# KiCad board helios-panel.kicad_pcb (continued)
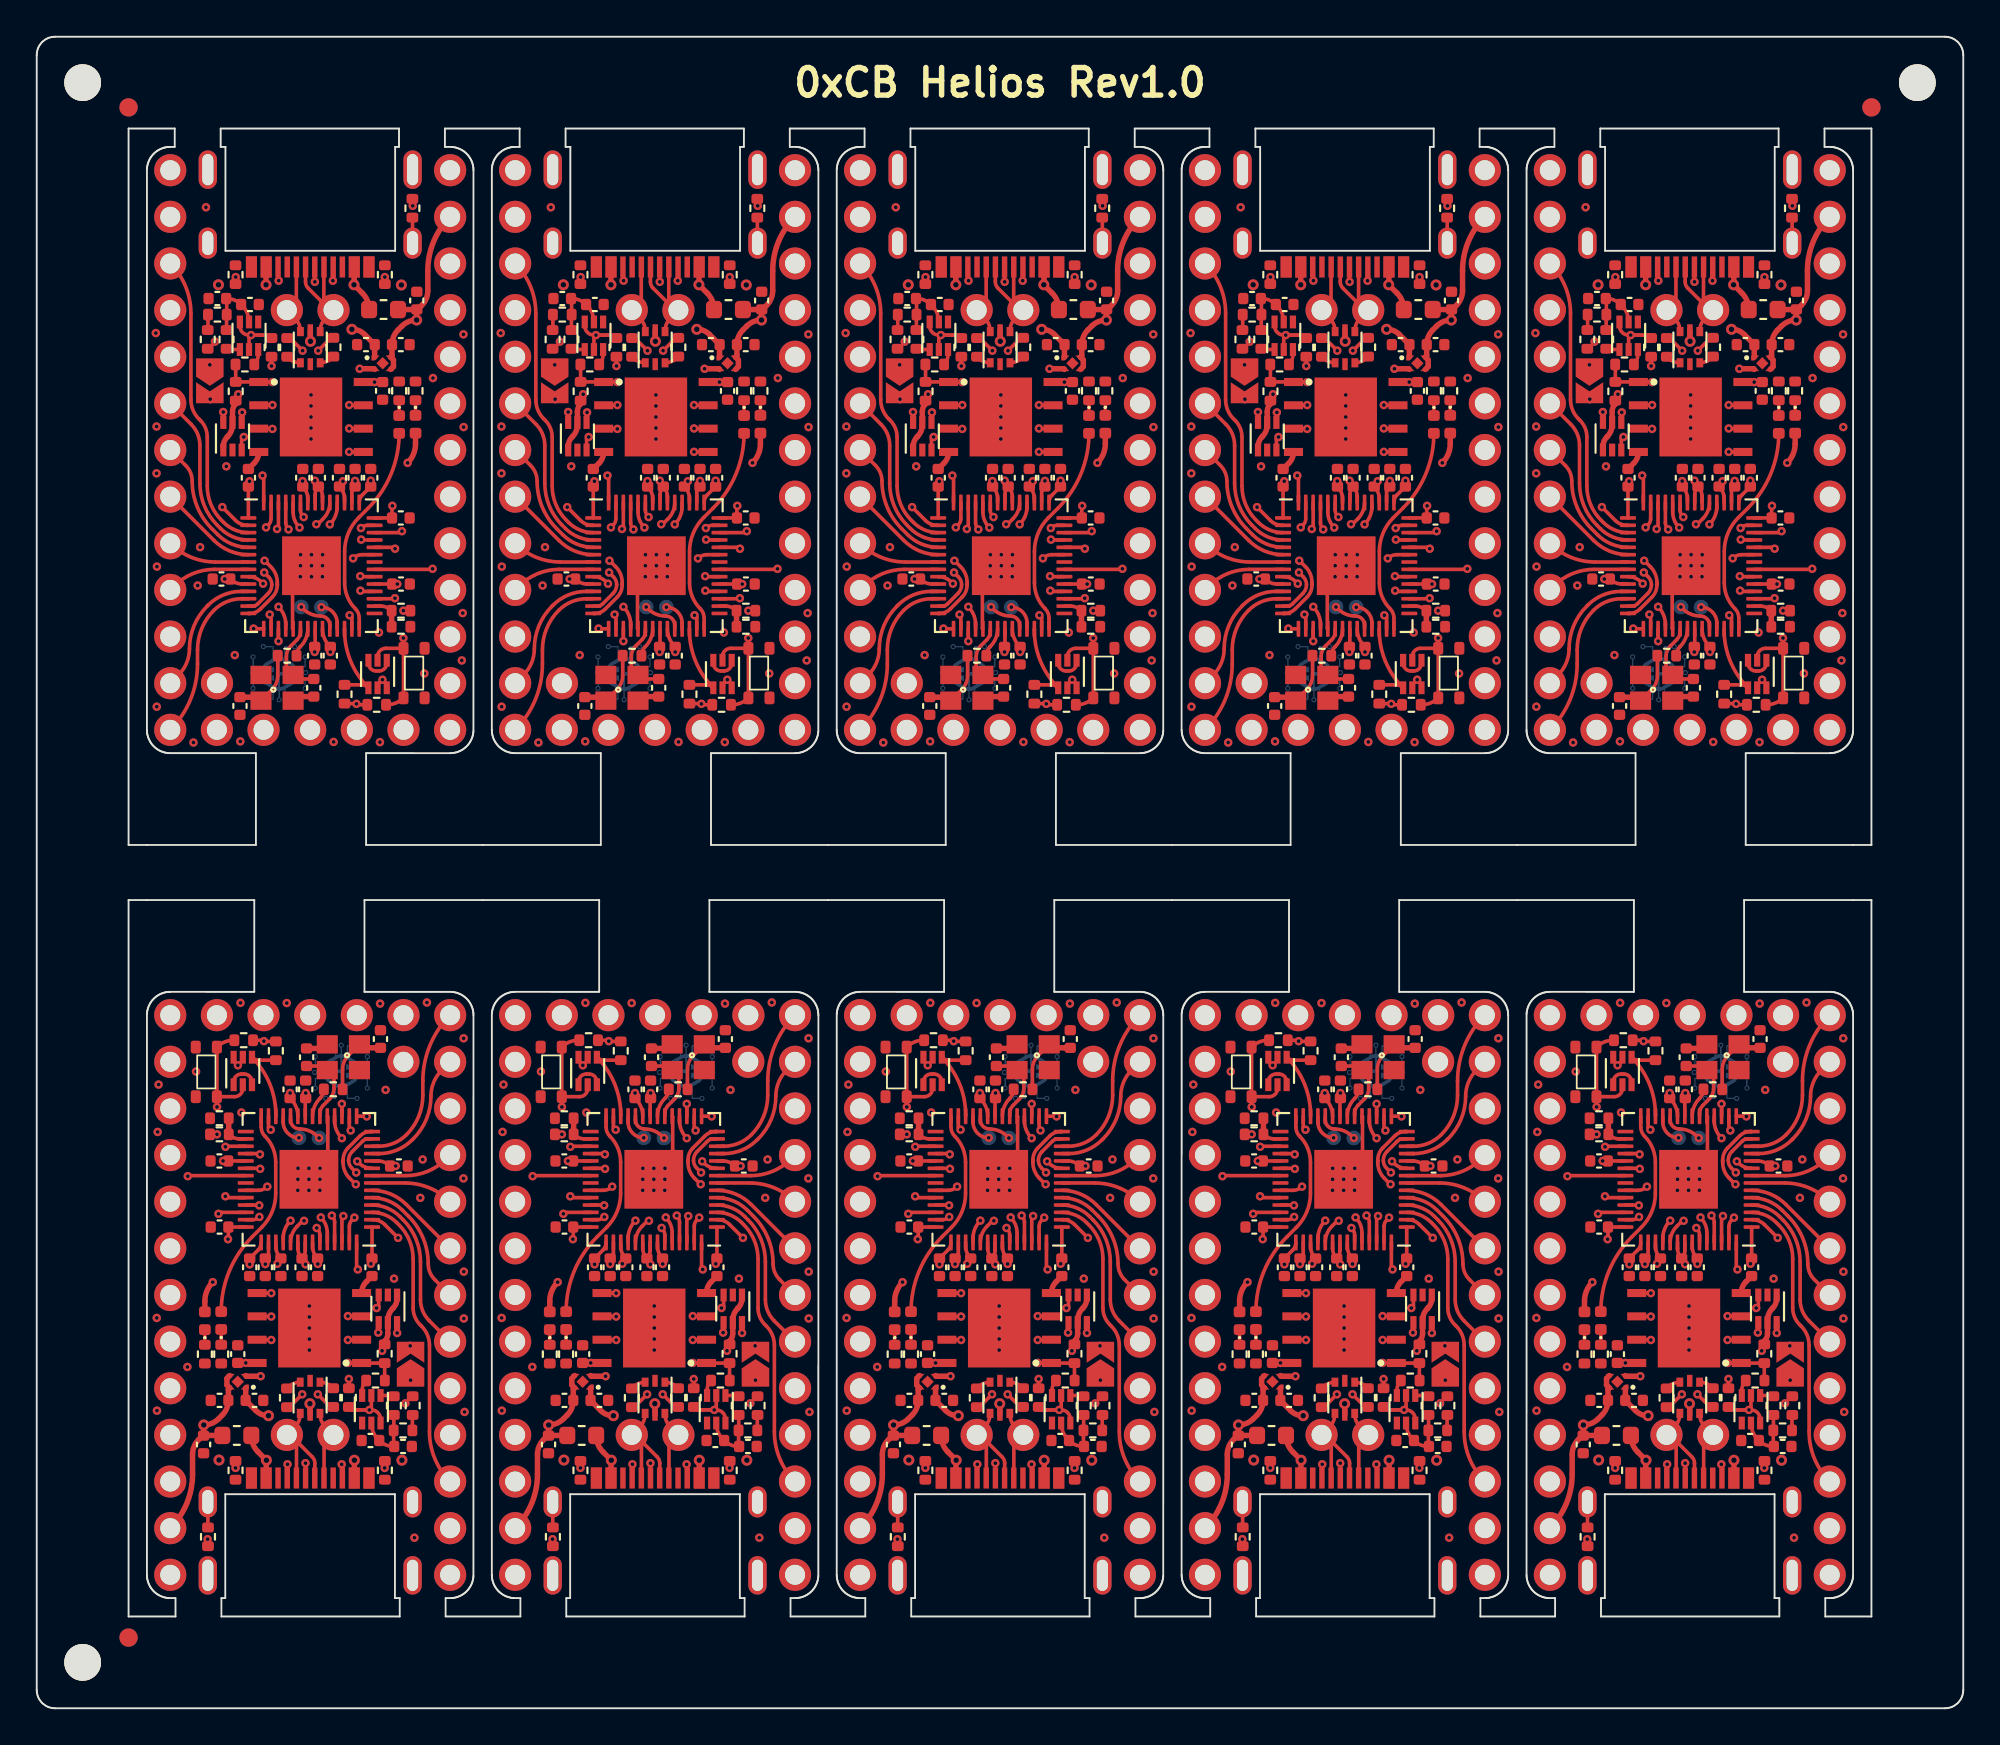
[diagram p0: board, top side]
## Nets (continued)
Board_2-unconnected-(U2-Pad5): U2#10.5
Board_2-unconnected-(U4-Pad29): U4#2.29
Board_2-unconnected-(U4-Pad36): U4#2.36
Board_2-VBUS: F1#4.1 J1#3.A4 J1#3.A9 J1#3.B4 J1#3.B9 R16#5.1
Board_3-+1V1: C10#8.2 C17#3.1 C19#8.1 U4#7.23 U4#7.45 U4#7.50
Board_3-+3V3: C5#9.1 C6.1 C9#10.2 C11#5.1 C12#8.1 C13#3.1 C14.1 C15#10.1 C16.1 C18#9.1 J2#7.27 JP1#3.1 R1.1 R2#2.1 R3#7.1 R11#8.1 U2.1 U3#8.8 U4#7.1 U4#7.10 U4#7.22 U4#7.33 U4#7.42 U4#7.43 U4#7.44 U4#7.48 U4#7.49 U5#7.1 U5#7.5
Board_3-+5V: C3#5.1 C4#8.1 F1#5.2 J2#7.30 U1#9.5 U2.3 U2.4 U5#7.6
Board_3-/0_TX0: J2#7.2 U4#7.2
Board_3-/1_RX0: J2#7.3 U4#7.3
Board_3-/2_SDA1: J2#7.6 U4#7.4
Board_3-/3_SCL1: J2#7.7 U4#7.5
Board_3-/4: J2#7.8 U4#7.6
Board_3-/5: J2#7.9 U4#7.7
Board_3-/6: J2#7.10 U4#7.8
Board_3-/7: J2#7.11 U4#7.9
Board_3-/8: J2#7.12 U4#7.11
Board_3-/9: J2#7.13 U4#7.12
Board_3-/10: J2#7.1 U4#7.13
Board_3-/11: J2#7.31 U4#7.14
Board_3-/12: J2#7.14 U4#7.15
Board_3-/13: J2#7.15 U4#7.16
Board_3-/14: J2#7.16 U4#7.17
Board_3-/15: J2#7.17 U4#7.18
Board_3-/16: J2#7.18 U4#7.27
Board_3-/20_SDI: J2#7.21 U4#7.31
Board_3-/21_CS: J2#7.19 U4#7.32
Board_3-/22_SCK: J2#7.22 U4#7.34
Board_3-/23_SDO: J2#7.20 U4#7.35
Board_3-/A0: J2#7.23 U4#7.38
Board_3-/A1: J2#7.24 U4#7.39
Board_3-/A2: J2#7.25 U4#7.40
Board_3-/A3: J2#7.26 U4#7.41
Board_3-/BOOT: Q2#9.3 R9#5.2
Board_3-/D+: R12#4.2 U4#7.47
Board_3-/D-: R13#4.2 U4#7.46
Board_3-/LED: D2.2 U4#7.28
Board_3-/PORT+: J1#10.A6 J1#10.B6 J2#7.34 U1#9.6
Board_3-/PORT-: J1#10.A7 J1#10.B7 J2#7.33 U1#9.4
Board_3-/QSPI_CLK: U3#8.6 U4#7.52
Board_3-/QSPI_CS: R9#5.1 R11#8.2 U3#8.1 U4#7.56
Board_3-/QSPI_SD0: U3#8.5 U4#7.53
Board_3-/QSPI_SD1: U3#8.2 U4#7.55
Board_3-/QSPI_SD2: U3#8.3 U4#7.54
Board_3-/QSPI_SD3: U3#8.7 U4#7.51
Board_3-/RESET: J2#7.28 Q1#10.2 R1.2 SW1#7.2
Board_3-/RGB_5V: J2#7.32 U5#7.4
Board_3-/RGB_DO: U4#7.37 U5#7.3
Board_3-/RST: Q1#10.4 R3#7.2 U4#7.26
Board_3-/SWD_CLK: TP1#2.1 U4#7.24
Board_3-/SWD_IO: TP2#3.1 U4#7.25
Board_3-/USB+: R12#4.1 U1#9.1
Board_3-/USB-: R13#4.1 U1#9.3
Board_3-GND: C1#5.2 C2#8.2 C3#5.2 C4#8.2 C5#9.2 C6.2 C7#10.1 C8#9.1 C9#10.1 C10#8.1 C11#5.2 C12#8.2 C13#3.2 C14.2 C15#10.2 C16.2 C17#3.2 C18#9.2 C19#8.2 FB1#10.2 J1#10.A1 J1#10.A12 J1#10.B1 J1#10.B12 J2#7.4 J2#7.5 J2#7.29 Q1#10.1 Q1#10.3 Q2#9.4 R6#6.2 R7#2.1 R8#9.1 R10#5.2 R15.2 R17#7.2 SW1#7.1 U1#9.2 U2.2 U3#8.4 U3#8.9 U4#7.19 U4#7.57 U5#7.2 Y1#3.2 Y1#3.4
Board_3-Net-(C1-Pad1): C1#5.1 C2#8.1 Q2#9.5 R4.2 R5#9.1
Board_3-Net-(C7-Pad2): C7#10.2 U4#7.20 Y1#3.3
Board_3-Net-(C8-Pad2): C8#9.2 R14#4.1 Y1#3.1
Board_3-Net-(D1-Pad1): D1#3.1 R10#5.1
Board_3-Net-(D1-Pad2): D1#3.2 JP1#3.2
Board_3-Net-(D2-Pad1): D2.1 R15.1
Board_3-Net-(FB1-Pad1): FB1#10.1 J1#10.S1
Board_3-Net-(J1-PadA5): J1#10.A5 R7#2.2
Board_3-Net-(J1-PadB5): J1#10.B5 R8#9.2
Board_3-Net-(Q1-Pad5): Q1#10.5 Q1#10.6 Q2#9.2 Q2#9.6 R2#2.2
Board_3-Net-(Q2-Pad1): Q2#9.1 R4.1
Board_3-Net-(R5-Pad2): R5#9.2 R6#6.1
Board_3-Net-(R14-Pad2): R14#4.2 U4#7.21
Board_3-unconnected-(J1-PadA8): J1#10.A8
Board_3-unconnected-(J1-PadB8): J1#10.B8
Board_3-unconnected-(U2-Pad5): U2.5
Board_3-unconnected-(U4-Pad29): U4#7.29
Board_3-unconnected-(U4-Pad36): U4#7.36
Board_3-VBUS: F1#5.1 J1#10.A4 J1#10.A9 J1#10.B4 J1#10.B9 R16#3.1
Board_4-+1V1: C10#3.2 C17#4.1 C19#5.1 U4#6.23 U4#6.45 U4#6.50
Board_4-+3V3: C5.1 C6#10.1 C9#4.2 C11#3.1 C12#3.1 C13#2.1 C14#3.1 C15#5.1 C16#2.1 C18#2.1 J2#10.27 JP1#4.1 R1#8.1 R2#10.1 R3#10.1 R11#5.1 U2#7.1 U3#4.8 U4#6.1 U4#6.10 U4#6.22 U4#6.33 U4#6.42 U4#6.43 U4#6.44 U4#6.48 U4#6.49 U5#10.1 U5#10.5
Board_4-+5V: C3#4.1 C4.1 F1#8.2 J2#10.30 U1#10.5 U2#7.3 U2#7.4 U5#10.6
Board_4-/0_TX0: J2#10.2 U4#6.2
Board_4-/1_RX0: J2#10.3 U4#6.3
Board_4-/2_SDA1: J2#10.6 U4#6.4
Board_4-/3_SCL1: J2#10.7 U4#6.5
Board_4-/4: J2#10.8 U4#6.6
Board_4-/5: J2#10.9 U4#6.7
Board_4-/6: J2#10.10 U4#6.8
Board_4-/7: J2#10.11 U4#6.9
Board_4-/8: J2#10.12 U4#6.11
Board_4-/9: J2#10.13 U4#6.12
Board_4-/10: J2#10.1 U4#6.13
Board_4-/11: J2#10.31 U4#6.14
Board_4-/12: J2#10.14 U4#6.15
Board_4-/13: J2#10.15 U4#6.16
Board_4-/14: J2#10.16 U4#6.17
Board_4-/15: J2#10.17 U4#6.18
Board_4-/16: J2#10.18 U4#6.27
Board_4-/20_SDI: J2#10.21 U4#6.31
Board_4-/21_CS: J2#10.19 U4#6.32
Board_4-/22_SCK: J2#10.22 U4#6.34
Board_4-/23_SDO: J2#10.20 U4#6.35
Board_4-/A0: J2#10.23 U4#6.38
Board_4-/A1: J2#10.24 U4#6.39
Board_4-/A2: J2#10.25 U4#6.40
Board_4-/A3: J2#10.26 U4#6.41
Board_4-/BOOT: Q2.3 R9#6.2
Board_4-/D+: R12.2 U4#6.47
Board_4-/D-: R13#8.2 U4#6.46
Board_4-/LED: D2#5.2 U4#6.28
Board_4-/PORT+: J1#5.A6 J1#5.B6 J2#10.34 U1#10.6
Board_4-/PORT-: J1#5.A7 J1#5.B7 J2#10.33 U1#10.4
Board_4-/QSPI_CLK: U3#4.6 U4#6.52
Board_4-/QSPI_CS: R9#6.1 R11#5.2 U3#4.1 U4#6.56
Board_4-/QSPI_SD0: U3#4.5 U4#6.53
Board_4-/QSPI_SD1: U3#4.2 U4#6.55
Board_4-/QSPI_SD2: U3#4.3 U4#6.54
Board_4-/QSPI_SD3: U3#4.7 U4#6.51
Board_4-/RESET: J2#10.28 Q1#5.2 R1#8.2 SW1#5.2
Board_4-/RGB_5V: J2#10.32 U5#10.4
Board_4-/RGB_DO: U4#6.37 U5#10.3
Board_4-/RST: Q1#5.4 R3#10.2 U4#6.26
Board_4-/SWD_CLK: TP1.1 U4#6.24
Board_4-/SWD_IO: TP2#9.1 U4#6.25
Board_4-/USB+: R12.1 U1#10.1
Board_4-/USB-: R13#8.1 U1#10.3
Board_4-GND: C1#8.2 C2.2 C3#4.2 C4.2 C5.2 C6#10.2 C7#4.1 C8#3.1 C9#4.1 C10#3.1 C11#3.2 C12#3.2 C13#2.2 C14#3.2 C15#5.2 C16#2.2 C17#4.2 C18#2.2 C19#5.2 FB1#9.2 J1#5.A1 J1#5.A12 J1#5.B1 J1#5.B12 J2#10.4 J2#10.5 J2#10.29 Q1#5.1 Q1#5.3 Q2.4 R6#9.2 R7#3.1 R8#4.1 R10#7.2 R15#6.2 R17#6.2 SW1#5.1 U1#10.2 U2#7.2 U3#4.4 U3#4.9 U4#6.19 U4#6.57 U5#10.2 Y1#9.2 Y1#9.4
Board_4-Net-(C1-Pad1): C1#8.1 C2.1 Q2.5 R4#5.2 R5#3.1
Board_4-Net-(C7-Pad2): C7#4.2 U4#6.20 Y1#9.3
Board_4-Net-(C8-Pad2): C8#3.2 R14.1 Y1#9.1
Board_4-Net-(D1-Pad1): D1#2.1 R10#7.1
Board_4-Net-(D1-Pad2): D1#2.2 JP1#4.2
Board_4-Net-(D2-Pad1): D2#5.1 R15#6.1
Board_4-Net-(FB1-Pad1): FB1#9.1 J1#5.S1
Board_4-Net-(J1-PadA5): J1#5.A5 R7#3.2
Board_4-Net-(J1-PadB5): J1#5.B5 R8#4.2
Board_4-Net-(Q1-Pad5): Q1#5.5 Q1#5.6 Q2.2 Q2.6 R2#10.2
Board_4-Net-(Q2-Pad1): Q2.1 R4#5.1
Board_4-Net-(R5-Pad2): R5#3.2 R6#9.1
Board_4-Net-(R14-Pad2): R14.2 U4#6.21
Board_4-unconnected-(J1-PadA8): J1#5.A8
Board_4-unconnected-(J1-PadB8): J1#5.B8
Board_4-unconnected-(U2-Pad5): U2#7.5
Board_4-unconnected-(U4-Pad29): U4#6.29
Board_4-unconnected-(U4-Pad36): U4#6.36
Board_4-VBUS: F1#8.1 J1#5.A4 J1#5.A9 J1#5.B4 J1#5.B9 R16#7.1
Board_5-+1V1: C10#7.2 C17#8.1 C19#9.1 U4#9.23 U4#9.45 U4#9.50
Board_5-+3V3: C5#10.1 C6#5.1 C9#3.2 C11#9.1 C12#5.1 C13#6.1 C14#8.1 C15#8.1 C16#4.1 C18#4.1 J2#8.27 JP1#10.1 R1#3.1 R2#8.1 R3#9.1 R11#3.1 U2#3.1 U3#6.8 U4#9.1 U4#9.10 U4#9.22 U4#9.33 U4#9.42 U4#9.43 U4#9.44 U4#9.48 U4#9.49 U5#3.1 U5#3.5
Board_5-+5V: C3.1 C4#6.1 F1#6.2 J2#8.30 U1#4.5 U2#3.3 U2#3.4 U5#3.6
Board_5-/0_TX0: J2#8.2 U4#9.2
Board_5-/1_RX0: J2#8.3 U4#9.3
Board_5-/2_SDA1: J2#8.6 U4#9.4
Board_5-/3_SCL1: J2#8.7 U4#9.5
Board_5-/4: J2#8.8 U4#9.6
Board_5-/5: J2#8.9 U4#9.7
Board_5-/6: J2#8.10 U4#9.8
Board_5-/7: J2#8.11 U4#9.9
Board_5-/8: J2#8.12 U4#9.11
Board_5-/9: J2#8.13 U4#9.12
Board_5-/10: J2#8.1 U4#9.13
Board_5-/11: J2#8.31 U4#9.14
Board_5-/12: J2#8.14 U4#9.15
Board_5-/13: J2#8.15 U4#9.16
Board_5-/14: J2#8.16 U4#9.17
Board_5-/15: J2#8.17 U4#9.18
Board_5-/16: J2#8.18 U4#9.27
Board_5-/20_SDI: J2#8.21 U4#9.31
Board_5-/21_CS: J2#8.19 U4#9.32
Board_5-/22_SCK: J2#8.22 U4#9.34
Board_5-/23_SDO: J2#8.20 U4#9.35
Board_5-/A0: J2#8.23 U4#9.38
Board_5-/A1: J2#8.24 U4#9.39
Board_5-/A2: J2#8.25 U4#9.40
Board_5-/A3: J2#8.26 U4#9.41
Board_5-/BOOT: Q2#8.3 R9#10.2
Board_5-/D+: R12#3.2 U4#9.47
Board_5-/D-: R13#6.2 U4#9.46
Board_5-/LED: D2#7.2 U4#9.28
Board_5-/PORT+: J1#2.A6 J1#2.B6 J2#8.34 U1#4.6
Board_5-/PORT-: J1#2.A7 J1#2.B7 J2#8.33 U1#4.4
Board_5-/QSPI_CLK: U3#6.6 U4#9.52
Board_5-/QSPI_CS: R9#10.1 R11#3.2 U3#6.1 U4#9.56
Board_5-/QSPI_SD0: U3#6.5 U4#9.53
Board_5-/QSPI_SD1: U3#6.2 U4#9.55
Board_5-/QSPI_SD2: U3#6.3 U4#9.54
Board_5-/QSPI_SD3: U3#6.7 U4#9.51
Board_5-/RESET: J2#8.28 Q1#8.2 R1#3.2 SW1#9.2
Board_5-/RGB_5V: J2#8.32 U5#3.4
Board_5-/RGB_DO: U4#9.37 U5#3.3
Board_5-/RST: Q1#8.4 R3#9.2 U4#9.26
Board_5-/SWD_CLK: TP1#5.1 U4#9.24
Board_5-/SWD_IO: TP2#6.1 U4#9.25
Board_5-/USB+: R12#3.1 U1#4.1
Board_5-/USB-: R13#6.1 U1#4.3
Board_5-GND: C1#2.2 C2#4.2 C3.2 C4#6.2 C5#10.2 C6#5.2 C7#6.1 C8#10.1 C9#3.1 C10#7.1 C11#9.2 C12#5.2 C13#6.2 C14#8.2 C15#8.2 C16#4.2 C17#8.2 C18#4.2 C19#9.2 FB1#6.2 J1#2.A1 J1#2.A12 J1#2.B1 J1#2.B12 J2#8.4 J2#8.5 J2#8.29 Q1#8.1 Q1#8.3 Q2#8.4 R6#4.2 R7#5.1 R8#5.1 R10#3.2 R15#2.2 R17#5.2 SW1#9.1 U1#4.2 U2#3.2 U3#6.4 U3#6.9 U4#9.19 U4#9.57 U5#3.2 Y1#6.2 Y1#6.4
Board_5-Net-(C1-Pad1): C1#2.1 C2#4.1 Q2#8.5 R4#4.2 R5#2.1
Board_5-Net-(C7-Pad2): C7#6.2 U4#9.20 Y1#6.3
Board_5-Net-(C8-Pad2): C8#10.2 R14#9.1 Y1#6.1
Board_5-Net-(D1-Pad1): D1#10.1 R10#3.1
Board_5-Net-(D1-Pad2): D1#10.2 JP1#10.2
Board_5-Net-(D2-Pad1): D2#7.1 R15#2.1
Board_5-Net-(FB1-Pad1): FB1#6.1 J1#2.S1
Board_5-Net-(J1-PadA5): J1#2.A5 R7#5.2
Board_5-Net-(J1-PadB5): J1#2.B5 R8#5.2
Board_5-Net-(Q1-Pad5): Q1#8.5 Q1#8.6 Q2#8.2 Q2#8.6 R2#8.2
Board_5-Net-(Q2-Pad1): Q2#8.1 R4#4.1
Board_5-Net-(R5-Pad2): R5#2.2 R6#4.1
Board_5-Net-(R14-Pad2): R14#9.2 U4#9.21
Board_5-unconnected-(J1-PadA8): J1#2.A8
Board_5-unconnected-(J1-PadB8): J1#2.B8
Board_5-unconnected-(U2-Pad5): U2#3.5
Board_5-unconnected-(U4-Pad29): U4#9.29
Board_5-unconnected-(U4-Pad36): U4#9.36
Board_5-VBUS: F1#6.1 J1#2.A4 J1#2.A9 J1#2.B4 J1#2.B9 R16#4.1
Board_6-+1V1: C10#9.2 C17.1 C19#7.1 U4.23 U4.45 U4.50
Board_6-+3V3: C5#3.1 C6#3.1 C9.2 C11#7.1 C12#6.1 C13#7.1 C14#5.1 C15#6.1 C16#5.1 C18#3.1 J2#6.27 JP1#6.1 R1#5.1 R2.1 R3#4.1 R11#9.1 U2#5.1 U3#9.8 U4.1 U4.10 U4.22 U4.33 U4.42 U4.43 U4.44 U4.48 U4.49 U5#5.1 U5#5.5
Board_6-+5V: C3#2.1 C4#3.1 F1#7.2 J2#6.30 U1#2.5 U2#5.3 U2#5.4 U5#5.6
Board_6-/0_TX0: J2#6.2 U4.2
Board_6-/1_RX0: J2#6.3 U4.3
Board_6-/2_SDA1: J2#6.6 U4.4
Board_6-/3_SCL1: J2#6.7 U4.5
Board_6-/4: J2#6.8 U4.6
Board_6-/5: J2#6.9 U4.7
Board_6-/6: J2#6.10 U4.8
Board_6-/7: J2#6.11 U4.9
Board_6-/8: J2#6.12 U4.11
Board_6-/9: J2#6.13 U4.12
Board_6-/10: J2#6.1 U4.13
Board_6-/11: J2#6.31 U4.14
Board_6-/12: J2#6.14 U4.15
Board_6-/13: J2#6.15 U4.16
Board_6-/14: J2#6.16 U4.17
Board_6-/15: J2#6.17 U4.18
Board_6-/16: J2#6.18 U4.27
Board_6-/20_SDI: J2#6.21 U4.31
Board_6-/21_CS: J2#6.19 U4.32
Board_6-/22_SCK: J2#6.22 U4.34
Board_6-/23_SDO: J2#6.20 U4.35
Board_6-/A0: J2#6.23 U4.38
Board_6-/A1: J2#6.24 U4.39
Board_6-/A2: J2#6.25 U4.40
Board_6-/A3: J2#6.26 U4.41
Board_6-/BOOT: Q2#2.3 R9#7.2
Board_6-/D+: R12#5.2 U4.47
Board_6-/D-: R13#9.2 U4.46
Board_6-/LED: D2#10.2 U4.28
Board_6-/PORT+: J1#4.A6 J1#4.B6 J2#6.34 U1#2.6
Board_6-/PORT-: J1#4.A7 J1#4.B7 J2#6.33 U1#2.4
Board_6-/QSPI_CLK: U3#9.6 U4.52
Board_6-/QSPI_CS: R9#7.1 R11#9.2 U3#9.1 U4.56
Board_6-/QSPI_SD0: U3#9.5 U4.53
Board_6-/QSPI_SD1: U3#9.2 U4.55
Board_6-/QSPI_SD2: U3#9.3 U4.54
Board_6-/QSPI_SD3: U3#9.7 U4.51
Board_6-/RESET: J2#6.28 Q1#3.2 R1#5.2 SW1#2.2
Board_6-/RGB_5V: J2#6.32 U5#5.4
Board_6-/RGB_DO: U4.37 U5#5.3
Board_6-/RST: Q1#3.4 R3#4.2 U4.26
Board_6-/SWD_CLK: TP1#3.1 U4.24
Board_6-/SWD_IO: TP2#10.1 U4.25
Board_6-/USB+: R12#5.1 U1#2.1
Board_6-/USB-: R13#9.1 U1#2.3
Board_6-GND: C1#3.2 C2#3.2 C3#2.2 C4#3.2 C5#3.2 C6#3.2 C7#8.1 C8#7.1 C9.1 C10#9.1 C11#7.2 C12#6.2 C13#7.2 C14#5.2 C15#6.2 C16#5.2 C17.2 C18#3.2 C19#7.2 FB1#2.2 J1#4.A1 J1#4.A12 J1#4.B1 J1#4.B12 J2#6.4 J2#6.5 J2#6.29 Q1#3.1 Q1#3.3 Q2#2.4 R6#8.2 R7#10.1 R8#3.1 R10.2 R15#9.2 R17#9.2 SW1#2.1 U1#2.2 U2#5.2 U3#9.4 U3#9.9 U4.19 U4.57 U5#5.2 Y1#8.2 Y1#8.4
Board_6-Net-(C1-Pad1): C1#3.1 C2#3.1 Q2#2.5 R4#2.2 R5.1
Board_6-Net-(C7-Pad2): C7#8.2 U4.20 Y1#8.3
Board_6-Net-(C8-Pad2): C8#7.2 R14#7.1 Y1#8.1
Board_6-Net-(D1-Pad1): D1#5.1 R10.1
Board_6-Net-(D1-Pad2): D1#5.2 JP1#6.2
Board_6-Net-(D2-Pad1): D2#10.1 R15#9.1
Board_6-Net-(FB1-Pad1): FB1#2.1 J1#4.S1
Board_6-Net-(J1-PadA5): J1#4.A5 R7#10.2
Board_6-Net-(J1-PadB5): J1#4.B5 R8#3.2
Board_6-Net-(Q1-Pad5): Q1#3.5 Q1#3.6 Q2#2.2 Q2#2.6 R2.2
Board_6-Net-(Q2-Pad1): Q2#2.1 R4#2.1
Board_6-Net-(R5-Pad2): R5.2 R6#8.1
Board_6-Net-(R14-Pad2): R14#7.2 U4.21
Board_6-unconnected-(J1-PadA8): J1#4.A8
Board_6-unconnected-(J1-PadB8): J1#4.B8
Board_6-unconnected-(U2-Pad5): U2#5.5
Board_6-unconnected-(U4-Pad29): U4.29
Board_6-unconnected-(U4-Pad36): U4.36
Board_6-VBUS: F1#7.1 J1#4.A4 J1#4.A9 J1#4.B4 J1#4.B9 R16#8.1
Board_7-+1V1: C10#5.2 C17#9.1 C19#6.1 U4#4.23 U4#4.45 U4#4.50
Board_7-+3V3: C5#5.1 C6#8.1 C9#7.2 C11#2.1 C12.1 C13#8.1 C14#2.1 C15#7.1 C16#3.1 C18#6.1 J2#2.27 JP1#8.1 R1#9.1 R2#7.1 R3#3.1 R11#10.1 U2#8.1 U3#2.8 U4#4.1 U4#4.10 U4#4.22 U4#4.33 U4#4.42 U4#4.43 U4#4.44 U4#4.48 U4#4.49 U5#8.1 U5#8.5
Board_7-+5V: C3#6.1 C4#7.1 F1#9.2 J2#2.30 U1#6.5 U2#8.3 U2#8.4 U5#8.6
Board_7-/0_TX0: J2#2.2 U4#4.2
Board_7-/1_RX0: J2#2.3 U4#4.3
Board_7-/2_SDA1: J2#2.6 U4#4.4
Board_7-/3_SCL1: J2#2.7 U4#4.5
Board_7-/4: J2#2.8 U4#4.6
Board_7-/5: J2#2.9 U4#4.7
Board_7-/6: J2#2.10 U4#4.8
Board_7-/7: J2#2.11 U4#4.9
Board_7-/8: J2#2.12 U4#4.11
Board_7-/9: J2#2.13 U4#4.12
Board_7-/10: J2#2.1 U4#4.13
Board_7-/11: J2#2.31 U4#4.14
Board_7-/12: J2#2.14 U4#4.15
Board_7-/13: J2#2.15 U4#4.16
Board_7-/14: J2#2.16 U4#4.17
Board_7-/15: J2#2.17 U4#4.18
Board_7-/16: J2#2.18 U4#4.27
Board_7-/20_SDI: J2#2.21 U4#4.31
Board_7-/21_CS: J2#2.19 U4#4.32
Board_7-/22_SCK: J2#2.22 U4#4.34
Board_7-/23_SDO: J2#2.20 U4#4.35
Board_7-/A0: J2#2.23 U4#4.38
Board_7-/A1: J2#2.24 U4#4.39
Board_7-/A2: J2#2.25 U4#4.40
Board_7-/A3: J2#2.26 U4#4.41
Board_7-/BOOT: Q2#10.3 R9#9.2
Board_7-/D+: R12#9.2 U4#4.47
Board_7-/D-: R13#2.2 U4#4.46
Board_7-/LED: D2#6.2 U4#4.28
Board_7-/PORT+: J1#8.A6 J1#8.B6 J2#2.34 U1#6.6
Board_7-/PORT-: J1#8.A7 J1#8.B7 J2#2.33 U1#6.4
Board_7-/QSPI_CLK: U3#2.6 U4#4.52
Board_7-/QSPI_CS: R9#9.1 R11#10.2 U3#2.1 U4#4.56
Board_7-/QSPI_SD0: U3#2.5 U4#4.53
Board_7-/QSPI_SD1: U3#2.2 U4#4.55
Board_7-/QSPI_SD2: U3#2.3 U4#4.54
Board_7-/QSPI_SD3: U3#2.7 U4#4.51
Board_7-/RESET: J2#2.28 Q1#6.2 R1#9.2 SW1.2
Board_7-/RGB_5V: J2#2.32 U5#8.4
Board_7-/RGB_DO: U4#4.37 U5#8.3
Board_7-/RST: Q1#6.4 R3#3.2 U4#4.26
Board_7-/SWD_CLK: TP1#8.1 U4#4.24
Board_7-/SWD_IO: TP2#2.1 U4#4.25
Board_7-/USB+: R12#9.1 U1#6.1
Board_7-/USB-: R13#2.1 U1#6.3
Board_7-GND: C1#4.2 C2#9.2 C3#6.2 C4#7.2 C5#5.2 C6#8.2 C7#9.1 C8#2.1 C9#7.1 C10#5.1 C11#2.2 C12.2 C13#8.2 C14#2.2 C15#7.2 C16#3.2 C17#9.2 C18#6.2 C19#6.2 FB1.2 J1#8.A1 J1#8.A12 J1#8.B1 J1#8.B12 J2#2.4 J2#2.5 J2#2.29 Q1#6.1 Q1#6.3 Q2#10.4 R6#5.2 R7#9.1 R8#8.1 R10#9.2 R15#5.2 R17#10.2 SW1.1 U1#6.2 U2#8.2 U3#2.4 U3#2.9 U4#4.19 U4#4.57 U5#8.2 Y1#7.2 Y1#7.4
Board_7-Net-(C1-Pad1): C1#4.1 C2#9.1 Q2#10.5 R4#8.2 R5#6.1
Board_7-Net-(C7-Pad2): C7#9.2 U4#4.20 Y1#7.3
Board_7-Net-(C8-Pad2): C8#2.2 R14#6.1 Y1#7.1
Board_7-Net-(D1-Pad1): D1#9.1 R10#9.1
Board_7-Net-(D1-Pad2): D1#9.2 JP1#8.2
Board_7-Net-(D2-Pad1): D2#6.1 R15#5.1
Board_7-Net-(FB1-Pad1): FB1.1 J1#8.S1
Board_7-Net-(J1-PadA5): J1#8.A5 R7#9.2
Board_7-Net-(J1-PadB5): J1#8.B5 R8#8.2
Board_7-Net-(Q1-Pad5): Q1#6.5 Q1#6.6 Q2#10.2 Q2#10.6 R2#7.2
Board_7-Net-(Q2-Pad1): Q2#10.1 R4#8.1
Board_7-Net-(R5-Pad2): R5#6.2 R6#5.1
Board_7-Net-(R14-Pad2): R14#6.2 U4#4.21
Board_7-unconnected-(J1-PadA8): J1#8.A8
Board_7-unconnected-(J1-PadB8): J1#8.B8
Board_7-unconnected-(U2-Pad5): U2#8.5
Board_7-unconnected-(U4-Pad29): U4#4.29
Board_7-unconnected-(U4-Pad36): U4#4.36
Board_7-VBUS: F1#9.1 J1#8.A4 J1#8.A9 J1#8.B4 J1#8.B9 R16#6.1
Board_8-+1V1: C10.2 C17#10.1 C19.1 U4#5.23 U4#5.45 U4#5.50
Board_8-+3V3: C5#6.1 C6#7.1 C9#6.2 C11.1 C12#10.1 C13#5.1 C14#7.1 C15#2.1 C16#6.1 C18#7.1 J2#9.27 JP1.1 R1#10.1 R2#6.1 R3#2.1 R11#7.1 U2#6.1 U3#7.8 U4#5.1 U4#5.10 U4#5.22 U4#5.33 U4#5.42 U4#5.43 U4#5.44 U4#5.48 U4#5.49 U5#9.1 U5#9.5
Board_8-+5V: C3#9.1 C4#5.1 F1#3.2 J2#9.30 U1.5 U2#6.3 U2#6.4 U5#9.6
Board_8-/0_TX0: J2#9.2 U4#5.2
Board_8-/1_RX0: J2#9.3 U4#5.3
Board_8-/2_SDA1: J2#9.6 U4#5.4
Board_8-/3_SCL1: J2#9.7 U4#5.5
Board_8-/4: J2#9.8 U4#5.6
Board_8-/5: J2#9.9 U4#5.7
Board_8-/6: J2#9.10 U4#5.8
Board_8-/7: J2#9.11 U4#5.9
Board_8-/8: J2#9.12 U4#5.11
Board_8-/9: J2#9.13 U4#5.12
Board_8-/10: J2#9.1 U4#5.13
Board_8-/11: J2#9.31 U4#5.14
Board_8-/12: J2#9.14 U4#5.15
Board_8-/13: J2#9.15 U4#5.16
Board_8-/14: J2#9.16 U4#5.17
Board_8-/15: J2#9.17 U4#5.18
Board_8-/16: J2#9.18 U4#5.27
Board_8-/20_SDI: J2#9.21 U4#5.31
Board_8-/21_CS: J2#9.19 U4#5.32
Board_8-/22_SCK: J2#9.22 U4#5.34
Board_8-/23_SDO: J2#9.20 U4#5.35
Board_8-/A0: J2#9.23 U4#5.38
Board_8-/A1: J2#9.24 U4#5.39
Board_8-/A2: J2#9.25 U4#5.40
Board_8-/A3: J2#9.26 U4#5.41
Board_8-/BOOT: Q2#4.3 R9#3.2
Board_8-/D+: R12#7.2 U4#5.47
Board_8-/D-: R13#3.2 U4#5.46
Board_8-/LED: D2#3.2 U4#5.28
Board_8-/PORT+: J1#6.A6 J1#6.B6 J2#9.34 U1.6
Board_8-/PORT-: J1#6.A7 J1#6.B7 J2#9.33 U1.4
Board_8-/QSPI_CLK: U3#7.6 U4#5.52
Board_8-/QSPI_CS: R9#3.1 R11#7.2 U3#7.1 U4#5.56
Board_8-/QSPI_SD0: U3#7.5 U4#5.53
Board_8-/QSPI_SD1: U3#7.2 U4#5.55
Board_8-/QSPI_SD2: U3#7.3 U4#5.54
Board_8-/QSPI_SD3: U3#7.7 U4#5.51
Board_8-/RESET: J2#9.28 Q1#4.2 R1#10.2 SW1#4.2
Board_8-/RGB_5V: J2#9.32 U5#9.4
Board_8-/RGB_DO: U4#5.37 U5#9.3
Board_8-/RST: Q1#4.4 R3#2.2 U4#5.26
Board_8-/SWD_CLK: TP1#6.1 U4#5.24
Board_8-/SWD_IO: TP2#7.1 U4#5.25
Board_8-/USB+: R12#7.1 U1.1
Board_8-/USB-: R13#3.1 U1.3
Board_8-GND: C1#6.2 C2#5.2 C3#9.2 C4#5.2 C5#6.2 C6#7.2 C7#2.1 C8.1 C9#6.1 C10.1 C11.2 C12#10.2 C13#5.2 C14#7.2 C15#2.2 C16#6.2 C17#10.2 C18#7.2 C19.2 FB1#4.2 J1#6.A1 J1#6.A12 J1#6.B1 J1#6.B12 J2#9.4 J2#9.5 J2#9.29 Q1#4.1 Q1#4.3 Q2#4.4 R6#10.2 R7#7.1 R8#10.1 R10#8.2 R15#7.2 R17#2.2 SW1#4.1 U1.2 U2#6.2 U3#7.4 U3#7.9 U4#5.19 U4#5.57 U5#9.2 Y1#10.2 Y1#10.4
Board_8-Net-(C1-Pad1): C1#6.1 C2#5.1 Q2#4.5 R4#10.2 R5#8.1
Board_8-Net-(C7-Pad2): C7#2.2 U4#5.20 Y1#10.3
Board_8-Net-(C8-Pad2): C8.2 R14#5.1 Y1#10.1
Board_8-Net-(D1-Pad1): D1#6.1 R10#8.1
Board_8-Net-(D1-Pad2): D1#6.2 JP1.2
Board_8-Net-(D2-Pad1): D2#3.1 R15#7.1
Board_8-Net-(FB1-Pad1): FB1#4.1 J1#6.S1
Board_8-Net-(J1-PadA5): J1#6.A5 R7#7.2
Board_8-Net-(J1-PadB5): J1#6.B5 R8#10.2
Board_8-Net-(Q1-Pad5): Q1#4.5 Q1#4.6 Q2#4.2 Q2#4.6 R2#6.2
Board_8-Net-(Q2-Pad1): Q2#4.1 R4#10.1
Board_8-Net-(R5-Pad2): R5#8.2 R6#10.1
Board_8-Net-(R14-Pad2): R14#5.2 U4#5.21
Board_8-unconnected-(J1-PadA8): J1#6.A8
Board_8-unconnected-(J1-PadB8): J1#6.B8
Board_8-unconnected-(U2-Pad5): U2#6.5
Board_8-unconnected-(U4-Pad29): U4#5.29
Board_8-unconnected-(U4-Pad36): U4#5.36
Board_8-VBUS: F1#3.1 J1#6.A4 J1#6.A9 J1#6.B4 J1#6.B9 R16#10.1
Board_9-+1V1: C10#10.2 C17#7.1 C19#2.1 U4#3.23 U4#3.45 U4#3.50
Board_9-+3V3: C5#2.1 C6#2.1 C9#5.2 C11#8.1 C12#4.1 C13#10.1 C14#10.1 C15.1 C16#7.1 C18#10.1 J2#4.27 JP1#7.1 R1#7.1 R2#4.1 R3#5.1 R11#4.1 U2#4.1 U3#3.8 U4#3.1 U4#3.10 U4#3.22 U4#3.33 U4#3.42 U4#3.43 U4#3.44 U4#3.48 U4#3.49 U5#6.1 U5#6.5
Board_9-+5V: C3#7.1 C4#9.1 F1.2 J2#4.30 U1#5.5 U2#4.3 U2#4.4 U5#6.6
Board_9-/0_TX0: J2#4.2 U4#3.2
Board_9-/1_RX0: J2#4.3 U4#3.3
Board_9-/2_SDA1: J2#4.6 U4#3.4
Board_9-/3_SCL1: J2#4.7 U4#3.5
Board_9-/4: J2#4.8 U4#3.6
Board_9-/5: J2#4.9 U4#3.7
Board_9-/6: J2#4.10 U4#3.8
Board_9-/7: J2#4.11 U4#3.9
Board_9-/8: J2#4.12 U4#3.11
Board_9-/9: J2#4.13 U4#3.12
Board_9-/10: J2#4.1 U4#3.13
Board_9-/11: J2#4.31 U4#3.14
Board_9-/12: J2#4.14 U4#3.15
Board_9-/13: J2#4.15 U4#3.16
Board_9-/14: J2#4.16 U4#3.17
Board_9-/15: J2#4.17 U4#3.18
Board_9-/16: J2#4.18 U4#3.27
Board_9-/20_SDI: J2#4.21 U4#3.31
Board_9-/21_CS: J2#4.19 U4#3.32
Board_9-/22_SCK: J2#4.22 U4#3.34
Board_9-/23_SDO: J2#4.20 U4#3.35
Board_9-/A0: J2#4.23 U4#3.38
Board_9-/A1: J2#4.24 U4#3.39
Board_9-/A2: J2#4.25 U4#3.40
Board_9-/A3: J2#4.26 U4#3.41
Board_9-/BOOT: Q2#6.3 R9.2
Board_9-/D+: R12#2.2 U4#3.47
Board_9-/D-: R13#5.2 U4#3.46
Board_9-/LED: D2#2.2 U4#3.28
Board_9-/PORT+: J1#9.A6 J1#9.B6 J2#4.34 U1#5.6
Board_9-/PORT-: J1#9.A7 J1#9.B7 J2#4.33 U1#5.4
Board_9-/QSPI_CLK: U3#3.6 U4#3.52
Board_9-/QSPI_CS: R9.1 R11#4.2 U3#3.1 U4#3.56
Board_9-/QSPI_SD0: U3#3.5 U4#3.53
Board_9-/QSPI_SD1: U3#3.2 U4#3.55
Board_9-/QSPI_SD2: U3#3.3 U4#3.54
Board_9-/QSPI_SD3: U3#3.7 U4#3.51
Board_9-/RESET: J2#4.28 Q1#2.2 R1#7.2 SW1#6.2
Board_9-/RGB_5V: J2#4.32 U5#6.4
Board_9-/RGB_DO: U4#3.37 U5#6.3
Board_9-/RST: Q1#2.4 R3#5.2 U4#3.26
Board_9-/SWD_CLK: TP1#9.1 U4#3.24
Board_9-/SWD_IO: TP2#5.1 U4#3.25
Board_9-/USB+: R12#2.1 U1#5.1
Board_9-/USB-: R13#5.1 U1#5.3
Board_9-GND: C1.2 C2#7.2 C3#7.2 C4#9.2 C5#2.2 C6#2.2 C7#5.1 C8#5.1 C9#5.1 C10#10.1 C11#8.2 C12#4.2 C13#10.2 C14#10.2 C15.2 C16#7.2 C17#7.2 C18#10.2 C19#2.2 FB1#7.2 J1#9.A1 J1#9.A12 J1#9.B1 J1#9.B12 J2#4.4 J2#4.5 J2#4.29 Q1#2.1 Q1#2.3 Q2#6.4 R6#7.2 R7#4.1 R8#7.1 R10#6.2 R15#10.2 R17.2 SW1#6.1 U1#5.2 U2#4.2 U3#3.4 U3#3.9 U4#3.19 U4#3.57 U5#6.2 Y1#4.2 Y1#4.4
Board_9-Net-(C1-Pad1): C1.1 C2#7.1 Q2#6.5 R4#6.2 R5#5.1
Board_9-Net-(C7-Pad2): C7#5.2 U4#3.20 Y1#4.3
Board_9-Net-(C8-Pad2): C8#5.2 R14#2.1 Y1#4.1
Board_9-Net-(D1-Pad1): D1#8.1 R10#6.1
Board_9-Net-(D1-Pad2): D1#8.2 JP1#7.2
Board_9-Net-(D2-Pad1): D2#2.1 R15#10.1
Board_9-Net-(FB1-Pad1): FB1#7.1 J1#9.S1
Board_9-Net-(J1-PadA5): J1#9.A5 R7#4.2
Board_9-Net-(J1-PadB5): J1#9.B5 R8#7.2
Board_9-Net-(Q1-Pad5): Q1#2.5 Q1#2.6 Q2#6.2 Q2#6.6 R2#4.2
Board_9-Net-(Q2-Pad1): Q2#6.1 R4#6.1
Board_9-Net-(R5-Pad2): R5#5.2 R6#7.1
Board_9-Net-(R14-Pad2): R14#2.2 U4#3.21
Board_9-unconnected-(J1-PadA8): J1#9.A8
Board_9-unconnected-(J1-PadB8): J1#9.B8
Board_9-unconnected-(U2-Pad5): U2#4.5
Board_9-unconnected-(U4-Pad29): U4#3.29
Board_9-unconnected-(U4-Pad36): U4#3.36
Board_9-VBUS: F1.1 J1#9.A4 J1#9.A9 J1#9.B4 J1#9.B9 R16.1

Pads without a net: J1 S2 S3 S4; J1#2 S2 S3 S4; J1#3 S2 S3 S4; J1#4 S2 S3 S4; J1#5 S2 S3 S4; J1#6 S2 S3 S4; J1#7 S2 S3 S4; J1#8 S2 S3 S4; J1#9 S2 S3 S4; J1#10 S2 S3 S4

## Via types
v1: diameter 0.46, hole 0.2, Top to Bottom, 1040 vias
v2: diameter 0.6, hole 0.3, Top to Bottom, 70 vias

## Routing (per net, layer and track width the routed paths; a pad name or vN(x,y) marks a point on that pad's centre or on a via; arc(x,y) is an arc through that point)
Board_0-/VBUS_DETECT: length 1.9
  Top w0.2: 18.37,60.03 18.72,60.03 arc(19.05,59.97) R16#9.2
  Top w0.3: R17#3.1 R16#9.2
Board_1-/VBUS_DETECT: length 1.9
  Top w0.2: 37.15,60.03 37.5,60.03 arc(37.83,59.97) 38.1,59.78
  Top w0.3: 38.1,58.91 38.1,59.78
Board_2-/VBUS_DETECT: length 1.9
  Top w0.2: 55.93,60.03 56.28,60.03 arc(56.61,59.97) R16#5.2
  Top w0.3: R17#4.1 R16#5.2
Board_3-/VBUS_DETECT: length 1.9
  Top w0.2: 74.71,60.03 75.06,60.03 arc(75.39,59.97) R16#3.2
  Top w0.3: R17#7.1 R16#3.2
Board_4-/VBUS_DETECT: length 1.9
  Top w0.2: 93.49,60.03 93.84,60.03 arc(94.17,59.97) R16#7.2
  Top w0.3: R17#6.1 R16#7.2
Board_5-/VBUS_DETECT: length 1.9
  Top w0.2: 11.41,31.01 11.06,31.01 arc(10.73,31.07) R16#4.2
  Top w0.3: R17#5.1 R16#4.2
Board_6-/VBUS_DETECT: length 1.9
  Top w0.2: 30.19,31.01 29.84,31.01 arc(29.51,31.07) R16#8.2
  Top w0.3: R17#9.1 R16#8.2
Board_7-/VBUS_DETECT: length 1.9
  Top w0.2: 48.97,31.01 48.62,31.01 arc(48.29,31.07) R16#6.2
  Top w0.3: R17#10.1 R16#6.2
Board_8-/VBUS_DETECT: length 1.9
  Top w0.2: 67.75,31.01 67.4,31.01 arc(67.07,31.07) R16#10.2
  Top w0.3: R17#2.1 R16#10.2
Board_9-/VBUS_DETECT: length 1.9
  Top w0.2: 86.53,31.01 86.18,31.01 arc(85.85,31.07) R16.2
  Top w0.3: R17.1 R16.2
Board_0-+1V1: length 15.7
  Top w0.2: v1(14.48,66.84) 14.48,66.83 C17#6.1 arc(14.69,66.24) 14.76,65.88 U4#10.50 ; v1(16.68,66.83) 16.48,66.64 C10#2.2 arc(16.69,66.24) 16.76,65.88 U4#10.45 ; v1(15.98,57.53) C19#3.1 15.95,57.84 arc(15.66,58.28) U4#10.23
  In2.Cu w0.2: v1(14.48,66.84) 15.52,65.8 ; 15.52,65.8 16.04,65.28 arc(16.33,64.84) 16.43,64.32 16.43,58.61 arc(16.32,58.03) v1(15.98,57.53) ; 15.52,65.8 16.55,66.83 v1(16.68,66.83)
Board_0-+3V3: length 20.5
  Top w0.2: 18.37,61.23 C12#2.1 v1(19.63,61.23) ; R3.1 17.4,54.72 v1(17.41,54.71) 17.46,54.66 R1#6.1 ; v1(15.14,66.86) 15.34,66.67 C14#6.1 ; U4#10.1 11.52,66.54 C16#8.1 11.52,66.77 v1(11.59,66.83) ; v1(10.23,61.51) C15#3.1 arc(10.84,61.3) 11.2,61.23 U4#10.10 ; v1(19.37,65.49) 19.34,65.47 19.34,64.83 18.37,64.83 ; R2#3.1 v1(12.79,73.11) ; C6#9.1 v1(18.4,72.23) 18.39,72.24 U3#5.8 ; v1(18.19,66.86) C18.1 17.73,66.09 arc(17.61,65.9) U4#10.43 ; v1(17.34,66.85) C9#8.2 17.22,66.42 arc(17.18,66.36) 17.16,66.28 U4#10.44 ; v1(10.98,71.57) 10.98,71.36 R11#2.1 ; U4#10.48 15.56,66 arc(15.5,66.29) C14#6.1 ; U4#10.22 15.16,57.84 C11#10.1 ; U4#10.49 15.16,66.12 arc(15.21,66.35) C14#6.1
  Top w0.3: R11#2.1 10.84,71.04 10.78,70.99 arc(10.69,70.81) 10.66,70.62 U5#2.5 10.66,69.91 arc(10.59,69.56) 10.39,69.26 10.38,69.25 arc(10.22,69.01) 10.16,68.72 U5#2.1 ; U2#9.1 18.4,74.27 ; C5#8.1 17.85,74.83 arc(17.53,75.04) 17.16,75.11
  vias: v1(9.43,73.17) v1(10.32,67.64) v1(15.14,57.53) v2(17.16,75.11)
Board_0-+5V: length 25.1
  Top w0.3: 20.69,76.18 C3#8.1 20.74,76.19 20.96,76.41 arc(21.21,76.78) 21.3,77.21 21.3,78.3 arc(21.61,79.88) J2#3.30 ; 20.69,76.18 v2(20.69,75.61) arc(20.25,75.52) 19.88,75.28 19.68,75.07 arc(19.43,74.7) 19.34,74.27 19.34,73.67 U2#9.4 19.42,73.44 19.42,73.07 U2#9.3 ; 20.69,76.18 F1#10.2 ; v2(14.91,74.45) 14.89,74.46 U1#3.5 ; v1(10.16,70.6) 10.16,70.59 U5#2.6
  In1.Cu w0.3: v1(10.16,70.6) 10.16,70.88 arc(10.43,72.27) 11.22,73.44 arc(12.35,74.2) 13.68,74.46 14.89,74.46 v2(14.91,74.45) 17.88,74.45 arc(19.4,74.75) v2(20.69,75.61)
Board_0-/0_TX0: length 18.4
  Top w0.2: U4#10.2 11.47,64.43 arc(11.12,64.5) 10.83,64.7 v1(10.11,65.42)
  In1.Cu w0.2: J2#3.2 7.27,80.66 arc(7.31,80.47) 7.42,80.31 7.45,80.27 arc(8.34,78.94) 8.66,77.36 8.66,68.13 arc(8.84,67.22) 9.35,66.45 9.91,65.89 arc(10.05,65.67) v1(10.11,65.42)
Board_0-/1_RX0: length 16.4
  Top w0.2: J2#3.3 arc(8.1,77.44) 8.39,75.97 8.39,71.27 arc(8.51,70.71) 8.83,70.23 8.91,70.14 arc(9.19,69.73) 9.29,69.24 9.29,66.57 arc(9.49,65.56) 10.06,64.71 10.18,64.59 arc(10.79,64.17) U4#10.3